# KiCad board BGA_Steuerung_4layer.kicad_pcb (continued)
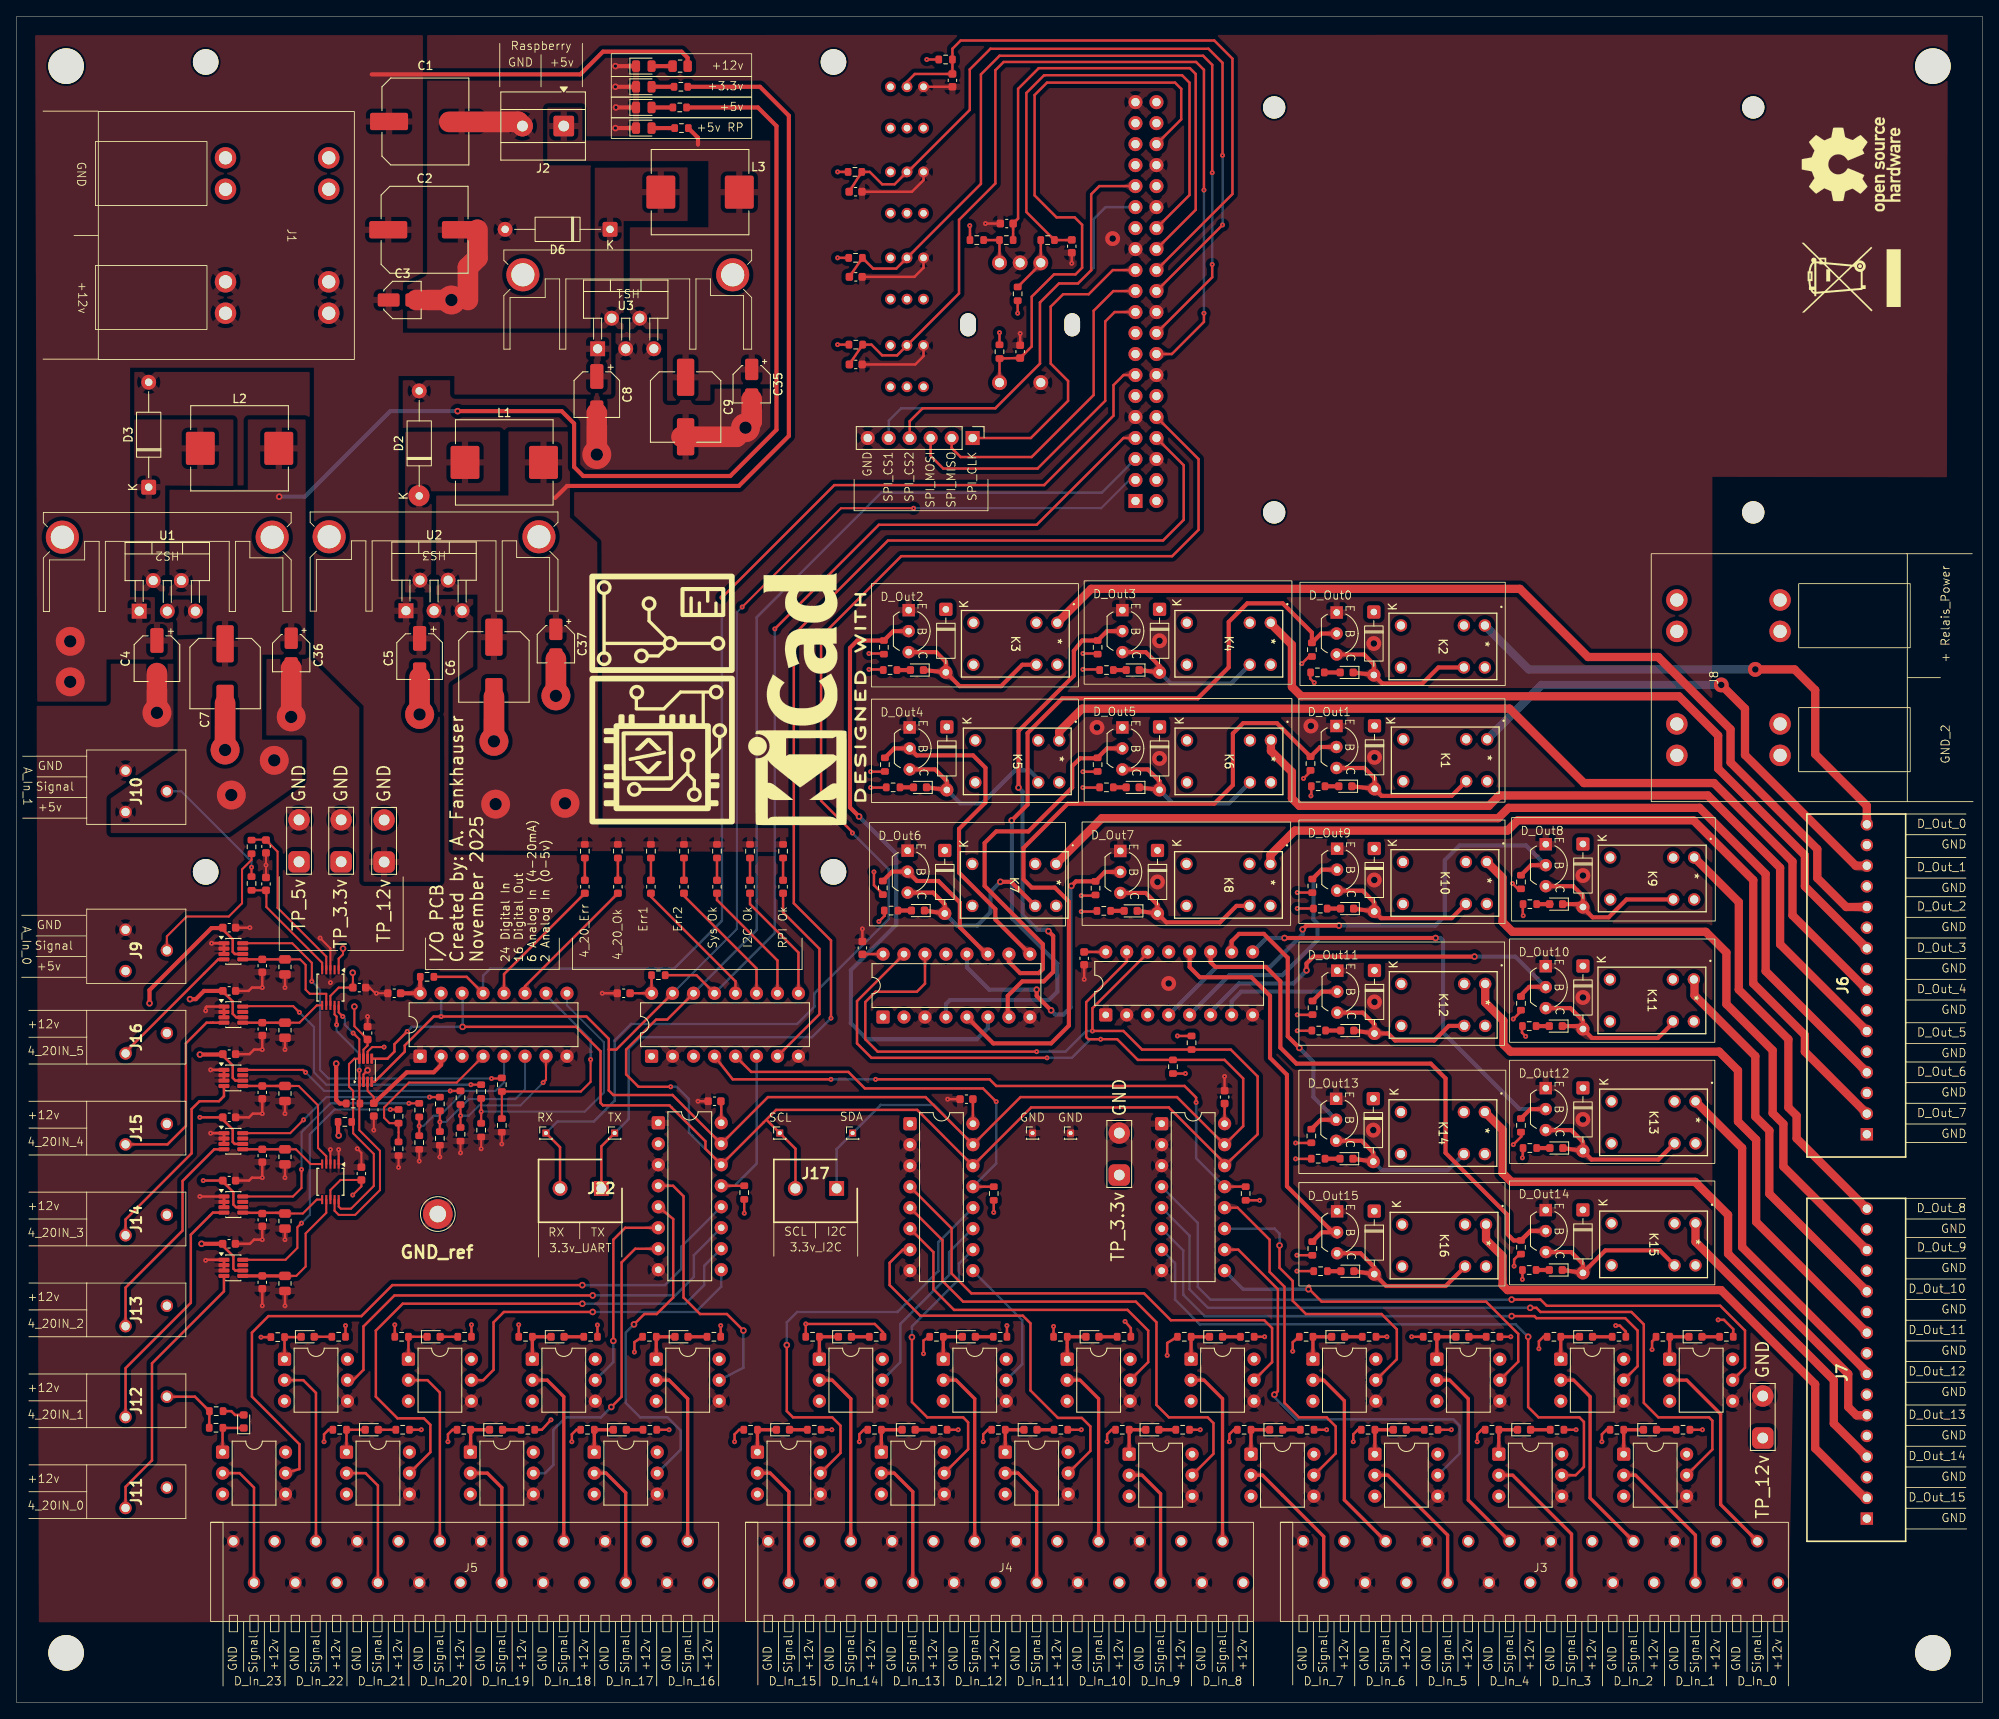
[diagram p0: board, top side]
## Routing (per net, layer and track width the routed paths; a pad name or vN(x,y) marks a point on that pad's centre or on a via; arc(x,y) is an arc through that point) (continued)
/SPI_CS1: length 50.5
  Bottom w0.3: U4.29 131.84,180.94 130.4,179.5 130.4,173.6 128.5,171.7 126.2,171.7 123.9,169.4 123.9,162 118.5,156.6 107.1,156.6 105.6,155.1 J25.5
/SPI_CS2: length 50.9
  Top w0.3: J25.4 108.12,155.03 109.7,156.6 118.5,156.6 123.9,162 123.9,169.4 126.2,171.7 128.5,171.7 130.1,173.3 130.1,182.5 131.08,183.48 U4.31
/SPI_MISO: length 38.2
  Top w0.3: J25.2 113.21,151.79 114.3,150.7 122.9,150.7 130.4,158.2 130.4,168.4 132.78,170.78 U4.21
/SPI_MOSI: length 41.1
  Top w0.3: U4.19 132.94,168.24 131.8,167.1 131.8,157.5 123.6,149.3 112.2,149.3 110.66,150.84 J25.3
A_Voltage_In_0: length 19
  Top w0.25: J9.2 18.2,92.7 20.6,95.1 25.7,95.1 27.3,96.7 27.3,100.8 28.45,101.95 28.45,102.75
A_Voltage_In_1: length 15.6
  Top w0.25: v2(28.45,101.07) R86.1
  Bottom w0.25: v2(28.45,101.07) 28.45,101.75 19.95,110.25 J10.2
D_Out0: length 62.1
  Top w1: v1(210.5,125) 215.25,125 217.75,122.5 217.75,114.75 224,108.5 J6.16
  Bottom w1: K2.1 183.08,125 v1(210.5,125)
D_Out1: length 61
  Top w1: J6.14 222.65,101.25 209.25,114.65 209.25,120.25 v1(206.38,123.12)
  Bottom w1: K1.1 184.62,123.12 v1(206.38,123.12)
D_Out2: length 120
  Top w1: J6.12 221.5,96.25 218,99.75 218,103.25 207.5,113.75 207.5,117.75 198.75,126.5 190.25,126.5 182,134.75 130.1,134.75 K3.1
D_Out3: length 96.1
  Top w1: J6.10 216.5,98.75 216.5,102.5 206,113 206,117 201.25,121.75 155.55,121.75 154.4,122.9 154.4,127.98 151.84,130.54 K4.1
D_Out4: length 117.9
  Top w1: J6.8 215,95.25 215,101.75 205.5,111.25 189.75,111.25 180.75,120.25 129,120.25 126.23,117.48 K5.1
D_Out5: length 95.8
  Top w1: J6.6 213.5,91.75 213.5,101 204.75,109.75 179.5,109.75 178.25,108.5 155.3,108.5 154.4,109.4 154.4,112.6 151.86,115.14 K6.1
D_Out6: length 121.1
  Top w1: J6.4 211.75,88.5 211.75,100.25 203.75,108.25 180.62,108.25 179.38,107 131.39,107 K7.1
D_Out7: length 98.2
  Top w1: J6.2 216.5,78.75 216.5,80.75 210.25,87 210.25,99.5 203,106.75 181.75,106.75 180.5,105.5 154.75,105.5 151.8,102.55 K8.1
D_Out8: length 51.2
  Top w1: J7.16 215.5,68.25 215.5,71 214.5,72 214.5,80.25 208.5,86.25 208.5,96.84 K9.1
D_Out9: length 79.7
  Top w1: J7.14 224,54.75 213.9,64.85 213.9,70 212.6,71.3 212.6,78.9 207,84.5 207,90.75 204.5,93.25 181.1,93.25 179.9,94.45 179.9,99.8 K10.1
D_Out10: length 46.4
  Top w1: 203.14,87.49 203.14,85.56 210.5,78.2 210.5,70.9 212.2,69.2 212.2,61.55 J7.12
D_Out11: length 76.1
  Top w1: 177.8,86.9 177.8,84.7 180,82.5 180,79.62 180.87,78.75 206.12,78.75 208.4,76.47 208.4,70.3 210.6,68.1 210.6,58.15 J7.10
D_Out12: length 41.6
  Top w1: K13.1 208.9,67.09 208.9,55.1 224,40 J7.8
D_Out13: length 69.6
  Top w1: J7.6 222.75,34.75 221.75,35.75 221.75,39.75 207.2,54.3 207.2,59 203.2,63 180.97,63 179.9,64.07 179.9,69.3 K14.1
D_Out14: length 36.8
  Top w1: K15.1 203.26,55.74 220,39 220,33.75 J7.4
D_Out15: length 67.5
  Top w1: J7.2 223.75,24.75 217.75,30.75 217.75,38.5 206.35,49.9 180.5,49.9 179.9,50.5 179.9,53.99 177.9,55.99 K16.1
Digital_In_0: length 25.1
  Top w0.4: J3.23 206.3,23.95 206.3,34.9 202.2,39 U9.2
Digital_In_1: length 17.4
  Top w0.4: J3.20 203.25,20.25 196,27.5 U6.2
Digital_In_2: length 24.1
  Top w0.4: J3.17 190.5,24.75 190.5,37 188.5,39 U7.2
Digital_In_3: length 17.6
  Top w0.4: J3.14 188.25,20.38 181.12,27.5 U8.2
Digital_In_4: length 24.1
  Top w0.4: U10.2 173.5,39 175.75,36.75 175.75,24.5 J3.11
Digital_In_5: length 17.6
  Top w0.4: J3.8 173.25,20.25 166,27.5 U11.2
Digital_In_6: length 23.9
  Top w0.4: U12.2 158.25,39 160.75,36.5 160.75,24.5 J3.5
Digital_In_7: length 17.5
  Top w0.4: J3.2 158.25,20.09 150.84,27.5 U13.2
Digital_In_8: length 22
  Top w0.4: J4.23 146,36.75 143.75,39 U14.2
Digital_In_9: length 15.5
  Top w0.4: U15.2 136.25,27.5 138.5,25.25 J4.20
Digital_In_10: length 22
  Top w0.4: J4.17 131,36.75 128.75,39 U16.2
Digital_In_11: length 15.7
  Top w0.4: J4.14 123.5,25.5 121.25,27.75 U17.2
Digital_In_12: length 22
  Top w0.4: U18.2 113.75,39 116,36.75 J4.11
Digital_In_13: length 15.7
  Top w0.4: J4.8 108.5,25.5 106.25,27.75 U19.2
Digital_In_14: length 22
  Top w0.4: J4.5 101,36.75 98.75,39 U20.2
Digital_In_15: length 15.7
  Top w0.4: U21.2 91.25,27.75 93.5,25.5 J4.2
Digital_In_16: length 22
  Top w0.4: U23.2 79,39 81.25,36.75 J5.23
Digital_In_17: length 15.7
  Top w0.4: U24.2 71.38,27.75 73.75,25.38 J5.20
Digital_In_18: length 22.1
  Top w0.4: U25.2 64.25,39 66.25,37 J5.17
Digital_In_19: length 16
  Top w0.4: J5.14 58.75,26 57,27.75 U26.2
Digital_In_20: length 22.4
  Top w0.3: U27.2 49.75,39 51.25,37.5 J5.11
Digital_In_21: length 16.2
  Top w0.3: J5.8 43.75,26.25 42.25,27.75 U28.2
Digital_In_22: length 22.4
  Top w0.3: U29.2 34.71,39 36.25,37.46 J5.5
Digital_In_23: length 16
  Top w0.3: U30.2 27,27.75 28.75,26 J5.2
Net-(D1-A): length 2.4
  Top w0.5: 79.42,198 77,198
Net-(D2-K): length 0.1
  Top w2.5: 48.7,146.05 D2.1
Net-(D4-A): length 2.5
  Top w0.5: R2.2 77,193
Net-(D5-A): length 2.7
  Top w0.5: R3.2 D5.2
Net-(D7-A): length 2.7
  Top w0.5: 76.94,190.5 R4.2
Net-(D8-A): length 2.4
  Top w0.4: R7.2 D8.2
Net-(D8-K): length 5
  Top w0.4: D8.1 R8.2 U7.1
Net-(D9-A): length 2.4
  Top w0.4: R9.2 D9.2
Net-(D9-K): length 5.2
  Top w0.4: U8.1 R10.2 D9.1
Net-(D10-A): length 2.1
  Top w0.4: R11.2 D10.2
Net-(D10-K): length 5
  Top w0.4: U10.1 R12.2 D10.1
Net-(D11-A): length 2.1
  Top w0.4: R13.2 D11.2
Net-(D11-K): length 5
  Top w0.4: D11.1 R14.2 U9.1
Net-(D12-A): length 2.4
  Top w0.4: R15.2 D12.2
Net-(D12-K): length 5.4
  Top w0.4: D12.1 R16.2 U6.1
Net-(D13-A): length 2.2
  Top w0.4: R17.2 D13.2
Net-(D13-K): length 5.2
  Top w0.4: U11.1 R18.2 D13.1
Net-(D14-A): length 2.1
  Top w0.4: R19.2 D14.2
Net-(D14-K): length 5
  Top w0.4: U12.1 R20.2 D14.1
Net-(D15-A): length 2.1
  Top w0.4: R21.2 D15.2
Net-(D15-K): length 5.2
  Top w0.4: U13.1 R22.2 D15.1
Net-(D16-A): length 2.2
  Top w0.4: R23.2 D16.2
Net-(D16-K): length 4.9
  Top w0.4: D16.1 R29.2 U14.1
Net-(D17-A): length 2.1
  Top w0.4: R24.2 D17.2
Net-(D17-K): length 5
  Top w0.4: U15.1 R30.2 D17.1
Net-(D18-A): length 2.2
  Top w0.4: R25.2 D18.2
Net-(D18-K): length 5
  Top w0.4: D18.1 R31.2 U16.1
Net-(D19-A): length 2.1
  Top w0.4: R26.2 D19.2
Net-(D19-K): length 5
  Top w0.4: U17.1 R32.2 D19.1
Net-(D20-A): length 2.2
  Top w0.4: R27.2 D20.2
Net-(D20-K): length 5
  Top w0.4: U18.1 R33.2 D20.1
Net-(D21-A): length 2.2
  Top w0.4: R28.2 D21.2
Net-(D21-K): length 5.2
  Top w0.4: U19.1 R34.2 D21.1
Net-(D22-A): length 2.2
  Top w0.4: R35.2 D22.2
Net-(D22-K): length 5
  Top w0.4: D22.1 R37.2 U20.1
Net-(D23-A): length 2.3
  Top w0.4: 93.58,33 95.85,33
Net-(D23-K): length 5
  Top w0.4: U21.1 R38.2 D23.1
Net-(D24-A): length 2.3
  Top w0.4: D24.2 R39.2
Net-(D24-K): length 5
  Top w0.4: U23.1 77.44,44.25 D24.1
Net-(D25-A): length 2
  Top w0.4: D25.2 R40.2
Net-(D25-K): length 5
  Top w0.4: U24.1 69.94,33 D25.1
Net-(D26-A): length 2.4
  Top w0.4: D26.2 R41.2
Net-(D26-K): length 5
  Top w0.4: U25.1 62.44,44.25 D26.1
Net-(D27-A): length 2.2
  Top w0.4: D27.2 R42.2
Net-(D27-K): length 5
  Top w0.4: D27.1 R48.2 54.97,30.32 U26.1
Net-(D28-A): length 2.1
  Top w0.3: R43.2 D28.2
Net-(D28-K): length 5
  Top w0.3: D28.1 47.44,44.25 U27.1
Net-(D29-A): length 2.1
  Top w0.3: R44.2 D29.2
Net-(D29-K): length 5
  Top w0.3: U28.1 39.94,33 D29.1
Net-(D30-A): length 2.1
  Top w0.3: R51.2 D30.2
Net-(D30-K): length 4.7
  Top w0.3: U29.1 R53.2 34.5,44.21
Net-(D31-A): length 2.4
  Top w0.3: 27.21,34.79 26.46,34.79 26,35.25 R52.2
Net-(D31-K): length 5.8
  Top w0.3: 25.08,33.25 24.95,33.12 ; 24.95,33.25 24.98,33.21 D31.1 ; 24.95,33.37 U30.1
Net-(D32-A): length 20.9
  Top w0.5: D32.2 164.32,125.64 163.15,126.81 Q1.1 ; D32.2 D55.1 ; D32.2 165.34,123.3 170.2,123.3 172.14,125.24 K2.5
Net-(D33-A): length 21.4
  Top w0.5: K1.5 173.73,109.7 165.25,109.7 D33.2 ; Q2.1 163.19,113.07 164.4,111.86 D33.2 ; D33.2 D58.1
Net-(D34-A): length 21.7
  Top w0.5: D59.1 D34.2 ; D34.2 114.18,122.98 119.18,122.98 121.77,125.57 K3.5 ; D34.2 112.5,125.92 111.34,127.09 Q3.1
Net-(D35-A): length 20.9
  Top w0.5: Q4.1 136.71,127.09 138.38,125.42 D35.2 D62.1
  Bottom w0.5: D35.2 139.73,123.3 147.03,123.3 K4.5
Net-(D36-A): length 22.9
  Top w0.5: D56.1 D36.2 112.62,111.48 111.21,112.9 Q5.1
  Bottom w0.5: D36.2 114.24,108.8 116.9,108.8 120.9,112.8 122.6,112.8 123.69,111.71 K5.5
Net-(D37-A): length 21.3
  Top w0.5: D57.1 D37.2 138.38,111.48 136.96,112.9 Q6.1
  Bottom w0.5: K6.5 146.79,108.8 139.99,108.8 D37.2
Net-(D38-A): length 25.1
  Top w0.5: Q7.1 110.96,97.99 112.38,96.57 D38.2 D60.1 ; v4(119.1,99.3) 120.41,99.3 K7.5
  Bottom w0.5: D38.2 113.85,94 116.3,94 117.9,95.6 117.9,98.1 v4(119.1,99.3)
Net-(D39-A): length 21
  Top w0.5: Q8.1 136.71,97.95 138.12,96.53 D39.2 ; D39.2 139.2,94.4 145.7,94.4 147.69,96.39 K8.5 ; D39.2 D61.1
Net-(D40-A): length 21.3
  Top w0.5: K9.5 194.9,97.16 192.74,95 190.8,95 189.63,96.17 189.63,97.6 188.46,98.77 Q9.1 ; D40.2 189.28,96.6 D63.1
Net-(D41-A): length 20.9
  Top w0.5: K10.5 173.74,94.9 165.18,94.9 D41.2 ; D66.1 D41.2 ; D41.2 164.37,96.81 162.95,98.23 Q10.1
Net-(D42-A): length 21.1
  Top w0.5: D67.1 189.28,81.84 D42.2 ; D42.2 190.72,80.4 198.7,80.4 200.6,82.3 200.6,82.41 ; D42.2 189.63,82.49 188.11,84.01 Q11.1
Net-(D43-A): length 20.7
  Top w0.5: K12.5 173.39,81.87 171.63,80.1 166.9,80.1 166.05,80.95 D43.2 ; D43.2 D70.1 ; D43.2 164.39,82.05 162.97,83.47 Q12.1
Net-(D44-A): length 21.7
  Top w0.5: Q13.1 188.21,54.5 189.63,53.08 D44.2 ; D44.2 D68.1 ; D44.2 192.35,54.7 198.91,54.7 K15.5
Net-(D45-A): length 21.1
  Top w0.5: D69.1 D45.2 ; D45.2 164.37,52.68 162.7,54.35 Q14.1 ; D45.2 165.81,50.39 173.01,50.39 K16.5
Net-(D46-A): length 21
  Top w0.5: D64.1 D46.2 ; D46.2 190.67,65.7 198.77,65.7 K13.5 ; D46.2 189.63,67.84 188.21,69.26 Q15.1
Net-(D47-A): length 20.9
  Top w0.5: D65.1 D47.2 164.25,66.55 162.83,67.97 Q16.1
  Bottom w0.5: K14.5 173.26,64.4 165.3,64.4 D47.2
Net-(D48-A): length 2.7
  Top w0.3: R71.2 D48.2
Net-(D48-K): length 23.6
  Top w0.3: U34.7 97.2,83.28 97.2,91.2 92.8,95.6 D48.1
Net-(D49-A): length 2.7
  Top w0.3: D49.2 R72.2
Net-(D49-K): length 14.5
  Top w0.3: D49.1 88.8,96.6 94.66,90.74 U34.9
Net-(D50-A): length 2.7
  Top w0.3: R73.2 D50.2
Net-(D50-K): length 15.1
  Top w0.3: D50.1 84.8,97.1 92.12,89.78 U34.10
Net-(D51-A): length 2.7
  Top w0.3: R74.2 D51.2
Net-(D51-K): length 15.7
  Top w0.3: U34.11 89.58,88.82 80.8,97.6 D51.1
Net-(D52-A): length 2.7
  Top w0.3: R75.2 D52.2
Net-(D52-K): length 16.3
  Top w0.3: D52.1 76.8,97.5 87.04,87.26 U34.12
Net-(D53-A): length 2.7
  Top w0.3: R99.2 D53.2
Net-(D53-K): length 16.8
  Top w0.3: U44.11 61.56,86.67 D53.1
Net-(D54-A): length 2.7
  Top w0.3: R100.2 D54.2
Net-(D54-K): length 16.1
  Top w0.3: U44.12 59.02,88.13 D54.1
Net-(D55-A): length 1.9
  Top w0.5: R101.2 D55.2
Net-(D56-A): length 1.6
  Top w0.5: R102.2 D56.2
Net-(D57-A): length 1.6
  Top w0.5: 132.78,110.73 D57.2
Net-(D58-A): length 1.7
  Top w0.5: R104.2 D58.2
Net-(D59-A): length 1.6
  Top w0.5: R105.2 D59.2
Net-(D60-A): length 1.6
  Top w0.5: R106.2 D60.2
Net-(D61-A): length 1.6
  Top w0.5: R107.2 D61.2
Net-(D62-A): length 1.6
  Top w0.5: 132.78,124.92 D62.2
Net-(D63-A): length 1.6
  Top w0.5: 184.21,96.6 185.84,96.6
Net-(D64-A): length 1.6
  Top w0.5: R110.2 D64.2
Net-(D65-A): length 1.8
  Top w0.5: R111.2 D65.2
Net-(D66-A): length 1.6
  Top w0.5: R112.2 D66.2
Net-(D67-A): length 1.6
  Top w0.5: 183.96,81.84 D67.2
Net-(D68-A): length 1.6
  Top w0.5: 183.96,52.33 D68.2
Net-(D69-A): length 1.6
  Top w0.5: R115.2 D69.2
Net-(D70-A): length 1.8
  Top w0.5: R116.2 D70.2
Net-(J2-Pin_1): length 2.5
  Top w0.5: R4.1 82.5,189.32 82.5,188.5
Net-(J22-Pin_1): length 156.8
  Top w0.3: J22.1 70.8,67.29 J24.1 ; U4.8 141.3,149.7 141.3,143.1 138.8,140.6 105.5,140.6 94.1,129.2 94.1,96.7 98.6,92.2 v2(98.6,82.8)
  Bottom w0.3: J24.1 74.1,70.59 74.1,79.1 75.5,80.5 96.3,80.5 v2(98.6,82.8)
Net-(J22-Pin_2): length 169.3
  Top w0.3: U4.10 143.1,150.44 143.1,141.9 139.9,138.7 107.1,138.7 97.4,129 97.4,109.1 101.2,105.3 v2(101.2,105.2) ; J23.1 65.8,67.19 J22.2
  Bottom w0.3: J23.1 65.49,70.3 69.9,70.3 72.4,72.8 72.4,80.1 74.4,82.1 94.5,82.1 96.6,84.2 96.6,85.8 105.6,94.8 105.6,100.8 v2(101.2,105.2)
Net-(R118-Pad2): length 4.7
  Top w0.3: R118.2 R119.1 SW1.A
Net-(R120-Pad2): length 6.8
  Top w0.3: R120.2 124,174.07 SW1.B R121.2
Net-(U5-P0): length 89
  Top w0.3: v4(181,48.75) 184.5,48.75 185.25,48 206.25,48 209.25,45 209.25,40.5 U9.5
  Bottom w0.3: v4(181,48.75) 144.53,48.75 143,50.28 143,58.04 U5.4
Net-(U5-P1): length 94.6
  Top w0.3: v4(183.25,47.75) 184,47.75 184.5,47.25 195.5,47.25 197,45.75 197,36.25 198.75,34.5 204.9,34.5 205.3,34.1 205.3,30.62 U6.5
  Bottom w0.3: v4(183.25,47.75) 144.25,47.75 142,50 142,56.5 U5.5
Net-(U5-P2): length 72.6
  Top w0.3: U7.5 196.25,40.69 196.25,45 194.75,46.5 184,46.5 183.75,46.75 v4(181,46.75)
  Bottom w0.3: U5.6 141.25,54.71 141.25,49.33 143.83,46.75 v4(181,46.75)
Net-(U5-P3): length 75.9
  Top w0.3: U8.5 188.75,27.5 189.75,28.5 189.75,33.95 189.2,34.5 184.25,34.5 183,35.75 v4(183,44.25)
  Bottom w0.3: v4(183,44.25) 181.5,45.75 143.25,45.75 140.25,48.75 140.25,53.17 U5.7
Net-(U5-P4): length 45.4
  Top w0.3: 156.5,50 158,48.5 177.9,48.5 181.8,44.6 181.8,41.24 U10.5 ; 156.5,50.39 156.41,50.39 156.4,50.39 156.5,50.39 156.5,50.39
  Bottom w0.4: U5.9 148.5,50 156.5,50
  vias: v4(156.4,50)
Net-(U5-P5): length 52.6
  Top w0.3: v4(152.28,37.25) 152.7,37.67 152.7,50 147.91,54.79 U5.10
  Bottom w0.3: U11.5 174.7,30.13 174.7,33.5 173.95,34.25 155,34.25 152.28,36.97 v4(152.28,37.25)
Net-(U5-P6): length 36.9
  Top w0.3: U12.5 167.1,41.53 167.1,45.15 165.25,47 156.1,47 154.5,48.6 154.5,51 152.9,52.6 v4(152.9,55.3)
  Bottom w0.3: U5.11 152.29,57.33 152.9,56.72 v4(152.9,55.3)
Net-(U5-P7): length 41.9
  Top w0.3: U13.5 159.7,30.13 159.7,33.4 158.6,34.5 155.25,34.5 153.5,36.25 153.5,50.3 151.7,52.1 151.7,56 147.83,59.87 U5.12
Net-(U22-P0): length 61.3
  Top w0.3: U22.4 113.2,57.37 113.2,51.9 115.6,49.5 136.5,49.5 139.75,46.25 151.05,46.25 152,45.3 152,41.19 U14.5
Net-(U22-P1): length 63.7
  Top w0.3: U15.5 144.9,30.09 144.9,33.8 144.2,34.5 139.5,34.5 138,36 138,46 135.5,48.5 114.6,48.5 112.1,51 112.1,55.93 U22.5
Net-(U22-P2): length 43.5
  Top w0.3: U16.5 137,41.19 137,45 134.5,47.5 113.5,47.5 111,50 111,54.49 U22.6
Net-(U22-P3): length 48.7
  Top w0.3: U22.7 107.29,54.79 105.7,53.2 105.7,50.5 109.4,46.8 121.82,46.8 122.75,45.88 122.75,37.75 126.07,34.43 128.97,34.43 130,33.4 130,30.44 U17.5
Net-(U22-P4): length 16.5
  Bottom w0.3: 115.75,52.25 121.75,46.25 121.75,40.94 U18.5
Net-(U22-P5): length 36.7
  Top w0.3: U19.5 115.2,30.63 115.2,33.9 114.6,34.5 110.25,34.5 108.4,36.35 v4(108.4,44.2)
  Bottom w0.3: v4(108.4,44.2) 108.4,45.5 114.1,51.2 114.1,53.11 U22.10
Net-(U22-P6): length 22.9
  Bottom w0.3: U20.5 107,41.19 107,45.8 112.9,51.7 112.9,54.5 115.73,57.33 U22.11
Net-(U22-P7): length 55.1
  Top w0.3: v4(93.25,43.25) 93.25,35.25 94,34.5 98.75,34.5 99.75,33.5 99.75,30.19 U21.5
  Bottom w0.3: U22.12 111.81,55.9 111.8,55.9 111.6,55.7 111.6,52.2 106.65,47.25 94.5,47.25 93.25,46 v4(93.25,43.25)
Net-(U31-P0): length 32.5
  Top w0.3: U31.4 79.48,62.52 80.75,61.25 80.75,49 82.75,47 86,47 v4(88,45)
  Bottom w0.3: v4(88,45) 88,40.5 U23.5
Net-(U31-P1): length 42.2
  Top w0.3: U31.5 79.5,58.5 79.5,49 77.5,47 76,47 v4(74.75,45.75)
  Bottom w0.3: U24.5 80.4,30.59 80.4,32.9 78.8,34.5 75.5,34.5 73.75,36.25 73.75,44.75 v4(74.75,45.75)
Net-(U31-P2): length 23.9
  Top w0.3: v4(72.25,43.75) 72.25,56 73.69,57.44 U31.6
  Bottom w0.3: U25.5 72.25,41.19 v4(72.25,43.75)
Net-(U31-P3): length 38.4
  Top w0.3: v4(72,35.75) 73.25,37 73.25,53.25 74.9,54.9 U31.7
  Bottom w0.3: U26.5 64,27.75 65,28.75 65,33 66.5,34.5 70.75,34.5 v4(72,35.75)
Net-(U31-P4): length 40.4
  Top w0.3: v4(69.75,47.25) 59,47.25 57.75,46 57.75,40.25 56.5,39 U27.5
  Bottom w0.3: U31.9 85.31,50.31 82.25,47.25 v4(69.75,47.25)
Net-(U31-P5): length 70.2
  Top w0.3: U28.5 50.1,30.28 50.1,33.6 49.32,34.38 46.12,34.38 43.5,37 43.5,45 46.75,48.25 v4(68.5,48.25)
  Bottom w0.3: U31.10 83.25,52.84 83.25,50.5 81,48.25 v4(68.5,48.25)
Net-(U31-P6): length 57.5
  Top w0.3: v4(69.75,49.25) 45.75,49.25 42,45.5 42,40.25 40.75,39 U29.5
  Bottom w0.3: U31.11 82,54.12 82,51.5 79.75,49.25 v4(69.75,49.25)
Net-(U31-P7): length 85.3
  Top w0.3: v4(68.5,50.5) 45.5,50.5 41.75,46.75 30.5,46.75 28.5,44.75 28.5,37 34.25,31.25 34.25,28.25 U30.5
  Bottom w0.3: U31.12 80.5,55.16 80.5,52.5 78.5,50.5 v4(68.5,50.5)
Net-(U35-SCL_B): length 31.3
  Top w0.25: U37.10 39,83.5 v2(39.5,83) ; U36.10 39,60 39.25,59.75 40.5,59.75 43.25,62.5 43.25,66.38 40.75,68.88 40.75,74 40.25,74.5 40.25,77.25 40.9,77.9 41.45,77.9 ; v2(40.75,81) 41.5,80.25 U35.8
  Bottom w0.25: v2(40.75,81) 39.75,82 39.75,82.75 v2(39.5,83)
Net-(U35-SDA_B): length 32.9
  Top w0.25: v2(41.5,76.5) U35.1 41.5,69.25 44,66.75 44,62 41,59 39,59 38.5,59.5 U36.9 ; v2(38.75,82) 38.75,83 38.5,83.25 U37.9
  Bottom w0.25: v2(41.5,76.5) 41.5,78.5 38.75,81.25 v2(38.75,82)
Net-(U37-AIN0): length 20.4
  Top w0.25: U37.4 37.5,90.25 31.6,96.15 31.6,102.95 C20.2 ; 28.45,104.4 30.15,104.4
Net-(U37-AIN1): length 14.2
  Top w0.25: U37.5 37,89.5 30.25,96.25 30.25,98.22 C21.2 R86.2
Net-(U38-SGOOD): length 33.6
  Top w0.25: v2(34.5,58) 34,57.5 34,55 32.56,53.56 U38.8 ; v2(45.25,71.75) R80.1
  Bottom w0.25: v2(34.5,58) 35.5,59 35.5,68.75 38.5,71.75 v2(45.25,71.75)
Net-(U39-SGOOD): length 30
  Top w0.25: v2(47.5,72.5) R83.1 ; U39.8 33.47,61.22 34.5,62.25 v2(34.5,64.5)
  Bottom w0.25: v2(47.5,72.5) 38,72.5 34.5,69 v2(34.5,64.5)
Net-(U40-SGOOD): length 25.7
  Top w0.25: U40.8 33.14,68.88 v2(34.75,70.5) ; v2(50,73.25) R89.1
  Bottom w0.25: v2(50,73.25) 37.5,73.25 v2(34.75,70.5)
Net-(U41-SGOOD): length 27.4
  Top w0.25: v2(52.5,74) R97.1 ; U41.8 34.7,76.54 v2(35,76.25)
  Bottom w0.25: v2(35,76.25) 37.25,74 v2(52.5,74)
Net-(U42-SGOOD): length 36
  Top w0.25: U42.8 27.43,84.25 33.5,84.25 v2(34.25,83.5) ; v2(55,74.75) R95.1
  Bottom w0.25: v2(55,74.75) 37.5,74.75 36,76.25 36,81.75 v2(34.25,83.5)
Net-(U43-SGOOD): length 45.2
  Top w0.25: R93.1 58.67,75.5 v2(57.5,75.5) ; U43.8 33.39,91.87 35.75,89.5 v2(35.75,87.25)
  Bottom w0.25: v2(35.75,87.25) 36.75,86.25 36.75,76.5 37.75,75.5 v2(57.5,75.5)

## Copper pours and planes (outline as drawn; the poured copper is in the pictures)
5V_Power1 on Top: 35,155.25 28,155.25 28,146.75 18.25,146.75 18.25,133.95 23.05,133.95 23,128.76 19.5,128.62 19.5,115 11.4,109.4 11.4,105.2 25.7,105.2 34.6,111.5 34.6,116.5 29.73,116.5 29.75,126.78 35,126.78
5V_Power1 on In2.Cu: 11.5,86.75 24.22,86.75 24.24,56 43,56 43.1,91.5 36.9,95.8 36.8,116.5 30.75,116.5 30.75,128.65 19.5,128.62 19.5,117.25 11.5,117.2
12V_Power1 on Top: 49.2,201.75 49.2,173 46.78,171.75 46.78,165.75 72,165.75 72,158.25 53,158.25 53,160.5 46.25,160.5 46.25,133.78 49.25,133.78 49.25,130.75 51.25,130.75 51.25,126.5 51.3,99.3 42,99.3 42,120.6 36,126.5 36,161.5 13.75,161.5 13.75,133.75 16.75,133.75 16.75,130.75 18.95,130.75 18.95,126.2 10.9,126.2 10.9,121.1 2.5,121.1 2.25,201.75
12V_Power1 on In2.Cu: 78.3,148.8 96.3,148.8 96.28,145 207.6,145 207.73,95.71 207.75,93.75 207.74,93.75 208,49.5 215,49.5 215.25,9.75 2.7,9.7 2.7,130.7 10.9,130.7 10.9,86.2 23.8,86.2 23.8,48 154.55,48.25 154.29,93.5 102.15,93.25 102.15,113.75 71,113.75 71,144.25 67,144.25 67,165.5 78.27,165.5
GND on Top: 2.25,201.75 2.7,9.7 214.5,9.8 215.3,49.4 205.3,49.4 205.3,148.3 233.7,148.25 233.8,201.8
GND on Bottom: 233.8,201.8 2.25,201.75 2.7,9.7 215.25,9.75 215.4,105 215.75,140.6 233.75,140.5
GND on In1.Cu: 2.25,201.75 233.8,201.8 233.8,148.25 195.5,148.25 195.5,105 215.4,105 215.25,9.75 2.7,9.7
GND2 on Bottom: 229.75,122.5 229.7,108.5 229.7,18.5 215.7,18.5 215.7,108.5 197.9,108.5 198,122.43
3_3V_Power1 on Top: 59.55,153.8 59.55,146.05 50.8,146.05 50.8,134 55.8,134.05 55.8,125.05 52.8,123.1 52.8,103.1 94,102.9 94,105.8 70.45,105.85 70.3,140.4 67,143.4 67,153.8
3_3V_Power1 on Bottom: 148.4,201.7 148.4,147.9 144.7,145 69.2,145 69.53,103.01 52.8,103.1 53.25,153.76 52.7,201.8
3_3V_Power1 on In2.Cu: 55.9,128 52.75,128 52.75,116.5 37.7,116.5 37.7,95.8 43.7,91.7 43.5,49.5 153.75,49.75 153.75,93 101.7,92.85 101.7,113.35 70.25,113.25 70.3,143.8 55.9,143.8
R_Power_ext on Bottom: 229.8,125.8 197.1,125.8 197.1,50.9 156.39,50.9 156.4,94.2 103.8,94.1 103.8,137.8 229.8,137.8
Net-(D2-K) on Top: 58.55,153.8 47.05,153.76 47.05,134.3 50.17,134.3 50.3,146.55 58.55,146.55
Net-(D3-K) on Top: 26.25,155.25 14,155.25 14,134.5 18,134.42 18,147.25 26.25,147.2
Net-(D6-K) on Top: 81.25,185.75 70,185.71 70,166.17 73.5,166.17 73.5,179.25 81.25,179.25
Net-(J2-Pin_1) on Top: 91.25,189 68.5,189 68.5,193 64.25,193 64.25,186.5 83.75,186.5 83.75,178.5 74.25,178.5 74.23,166.17 78.75,166.17 78.75,157.5 84,157.5 84,159.47 91.25,159.5

Small or netless copper shapes (teardrops, artwork), in the pictures only: 779 on Top, 85 on Bottom

## Text on the board
B.Silkscreen: SCL | SDA
F.Silkscreen: +12v | 4_20IN_5 | 4_20IN_4 | 4_20IN_3 | 4_20IN_2 | 4_20IN_1 | 4_20IN_0 | Signal | GND | +5v | D_In_23 | D_In_22 | D_In_21 | D_In_20 | D_In_19 | Raspberry | RX | D_In_18 | 3.3v_UART | TX | D_In_17 | D_In_16 | +5v RP | +3.3v | D_In_15 | SCL | 3.3v_I2C | I2C | D_In_14 | SDA | D_In_13 | D_In_12 | D_In_11 | D_In_10 | D_In_9 | D_In_8 | D_In_7 | D_In_6 | D_In_5 | D_In_4 | D_In_3 | D_In_2 | D_In_1 | D_In_0 | D_Out_10 | D_Out_11 | D_Out_12 | D_Out_13 | D_Out_14 | D_Out_15 | D_Out_8 | D_Out_0 | D_Out_1 | D_Out_2 | D_Out_3 | D_Out_4 | D_Out_5 | D_Out_6 | D_Out_7 | D_Out_9 | 4_20_Err | 4_20_Ok | Err1 | Err2 | Sys Ok | I2C Ok | RPI Ok | SPI_CS1 | SPI_CS2 | SPI_MOSI | SPI_MISO | SPI_CLK | + Relais_Power | GND_2 | A_In_0 | A_In_1 | 24 Digital In / 16 Digital Out / 6 Analog In (4-20mA) / 2 Analog In (0-5v) | TP_5v | TP_3.3v | TP_12v | I/O PCB / Created by: A. Fankhauser / November 2025 | GND_ref | D_Out6 | D_Out2 | D_Out4 | D_Out7 | D_Out3 | D_Out5 | D_Out1 | D_Out9 | D_Out11 | D_Out13 | D_Out15 | D_Out0 | D_Out14 | D_Out10 | D_Out12 | D_Out8
